# KiCad board first_keyboard.kicad_pcb (continued)
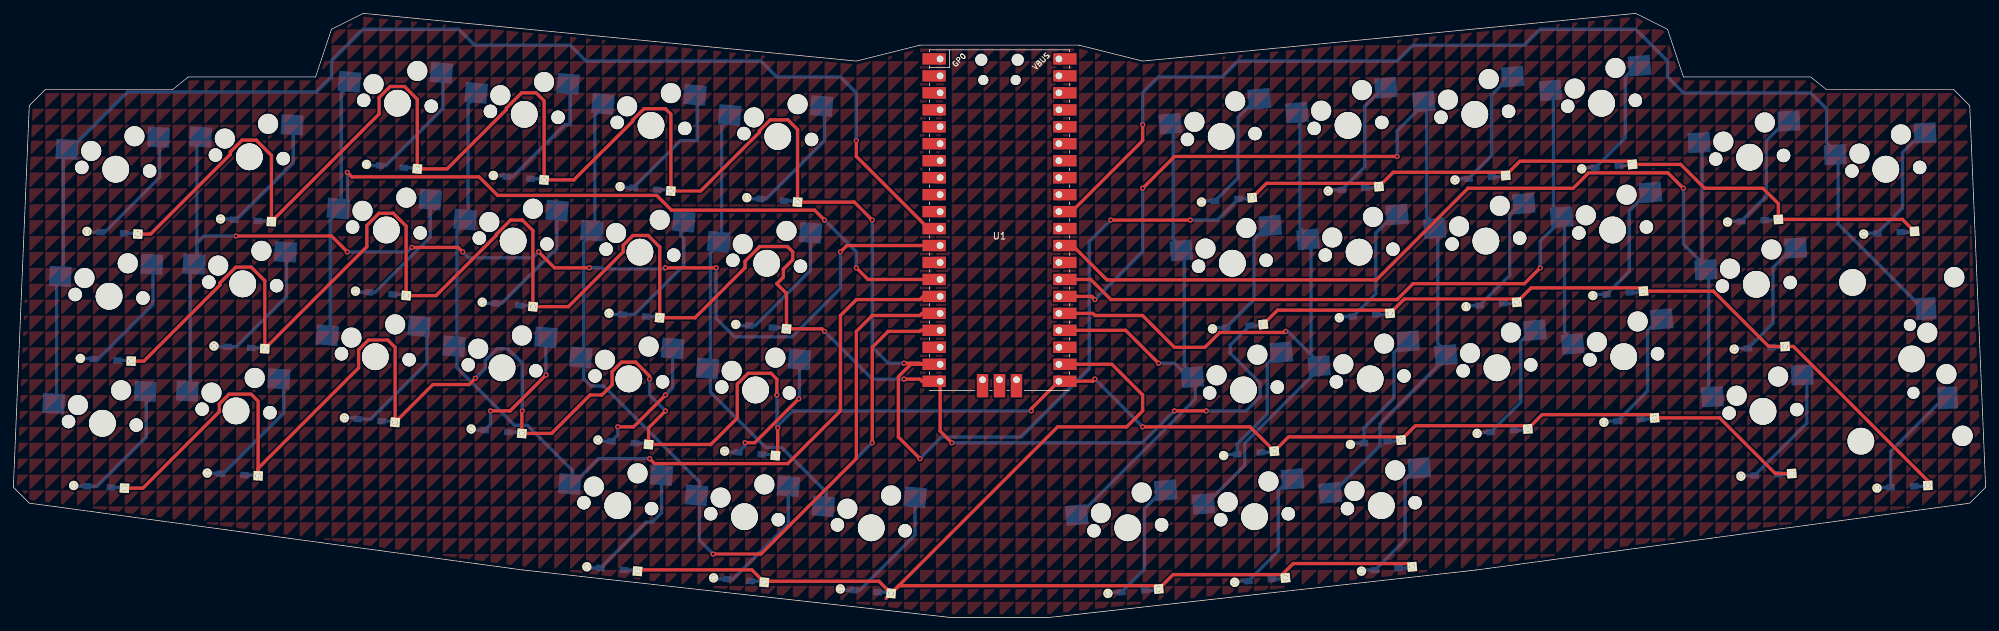
[diagram p0: board, top side]
## Copper pours and planes (outline as drawn; the poured copper is in the pictures) (continued)
(no net) on Top, Bottom: 259.56,145.26 259.56,142.88 261.94,145.26
(no net) on Top, Bottom: 85.73,50.01 85.73,47.62 88.11,50.01
(no net) on Top, Bottom: 200.02,45.24 200.02,42.86 202.41,45.24
(no net) on Top, Bottom: 69.06,145.26 69.06,142.88 71.44,145.26
(no net) on Top, Bottom: 92.87,102.39 92.87,100.01 95.25,102.39
(no net) on Top, Bottom: 107.16,126.21 107.16,123.83 109.54,126.21
(no net) on Top, Bottom: 219.07,19.05 219.07,16.67 221.46,19.05
(no net) on Top, Bottom: 230.98,54.77 230.98,52.39 233.36,54.77
(no net) on Top, Bottom: 223.84,104.78 223.84,102.39 226.22,104.78
(no net) on Top, Bottom: 26.19,121.44 26.19,119.06 28.58,121.44
(no net) on Top, Bottom: 30.96,-26.19 30.96,-28.57 33.34,-26.19
(no net) on Top, Bottom: 230.98,11.91 230.98,9.53 233.36,11.91
(no net) on Top, Bottom: 21.43,-2.38 21.43,-4.76 23.81,-2.38
(no net) on Top, Bottom: 69.06,116.68 69.06,114.3 71.44,116.68
(no net) on Top, Bottom: 135.73,50.01 135.73,47.62 138.11,50.01
(no net) on Top, Bottom: 140.49,64.29 140.49,61.91 142.88,64.29
(no net) on Top, Bottom: 180.98,92.87 180.98,90.49 183.36,92.87
(no net) on Top, Bottom: 207.17,-26.19 207.17,-28.57 209.55,-26.19
(no net) on Top, Bottom: 23.81,71.44 23.81,69.06 26.19,71.44
(no net) on Top, Bottom: 250.03,119.06 250.03,116.68 252.41,119.06
(no net) on Top, Bottom: 292.89,95.25 292.89,92.87 295.27,95.25
(no net) on Top, Bottom: 0,-38.1 0,-40.48 2.38,-38.1
(no net) on Top, Bottom: 21.43,57.15 21.43,54.77 23.81,57.15
(no net) on Top, Bottom: 230.98,45.24 230.98,42.86 233.36,45.24
(no net) on Top, Bottom: 100.01,102.39 100.01,100.01 102.39,102.39
(no net) on Top, Bottom: 73.82,40.48 73.82,38.1 76.2,40.48
(no net) on Top, Bottom: 40.48,61.91 40.48,59.53 42.86,61.91
(no net) on Top, Bottom: 269.08,100.01 269.08,97.63 271.46,100.01
(no net) on Top, Bottom: 78.58,147.64 78.58,145.26 80.96,147.64
(no net) on Top, Bottom: 119.06,119.06 119.06,116.68 121.44,119.06
(no net) on Top, Bottom: 195.26,104.78 195.26,102.39 197.64,104.78
(no net) on Top, Bottom: 166.69,-7.14 166.69,-9.53 169.07,-7.14
(no net) on Top, Bottom: 221.46,107.16 221.46,104.78 223.84,107.16
(no net) on Top, Bottom: 240.51,-14.29 240.51,-16.67 242.89,-14.29
(no net) on Top, Bottom: 276.22,76.2 276.22,73.82 278.61,76.2
(no net) on Top, Bottom: 180.98,126.21 180.98,123.83 183.36,126.21
(no net) on Top, Bottom: 240.51,130.97 240.51,128.59 242.89,130.97
(no net) on Top, Bottom: 33.34,-35.72 33.34,-38.1 35.72,-35.72
(no net) on Top, Bottom: 169.07,90.49 169.07,88.11 171.45,90.49
(no net) on Top, Bottom: 304.8,21.43 304.8,19.05 307.18,21.43
(no net) on Top, Bottom: 54.77,142.88 54.77,140.49 57.15,142.88
(no net) on Top, Bottom: 273.84,130.97 273.84,128.59 276.22,130.97
(no net) on Top, Bottom: 180.98,26.19 180.98,23.81 183.36,26.19
(no net) on Top, Bottom: 242.89,95.25 242.89,92.87 245.27,95.25
(no net) on Top, Bottom: 288.13,21.43 288.13,19.05 290.51,21.43
(no net) on Top, Bottom: 88.11,135.73 88.11,133.35 90.49,135.73
(no net) on Top, Bottom: 247.65,0 247.65,-2.38 250.03,0
(no net) on Top, Bottom: 188.12,85.72 188.12,83.34 190.5,85.72
(no net) on Top, Bottom: 197.64,83.34 197.64,80.96 200.02,83.34
(no net) on Top, Bottom: 235.74,83.34 235.74,80.96 238.12,83.34
(no net) on Top, Bottom: 33.34,16.67 33.34,14.29 35.72,16.67
(no net) on Top, Bottom: 214.31,-19.05 214.31,-21.43 216.69,-19.05
(no net) on Top, Bottom: 109.54,73.82 109.54,71.44 111.92,73.82
(no net) on Top, Bottom: 26.19,107.16 26.19,104.78 28.58,107.16
(no net) on Top, Bottom: 114.3,71.44 114.3,69.06 116.68,71.44
(no net) on Top, Bottom: 4.76,52.39 4.76,50.01 7.14,52.39
(no net) on Top, Bottom: 109.54,42.86 109.54,40.48 111.92,42.86
(no net) on Top, Bottom: 64.29,42.86 64.29,40.48 66.67,42.86
(no net) on Top, Bottom: 26.19,2.38 26.19,0 28.58,2.38
(no net) on Top, Bottom: 195.26,126.21 195.26,123.83 197.64,126.21
(no net) on Top, Bottom: 111.92,50.01 111.92,47.62 114.3,50.01
(no net) on Top, Bottom: 66.67,2.38 66.67,0 69.06,2.38
(no net) on Top, Bottom: 195.26,123.83 195.26,121.44 197.64,123.83
(no net) on Top, Bottom: 116.68,-33.34 116.68,-35.72 119.06,-33.34
(no net) on Top, Bottom: 121.44,-26.19 121.44,-28.57 123.83,-26.19
(no net) on Top, Bottom: 276.22,33.34 276.22,30.96 278.61,33.34
(no net) on Top, Bottom: 128.59,-11.91 128.59,-14.29 130.97,-11.91
(no net) on Top, Bottom: 183.36,88.11 183.36,85.72 185.74,88.11
(no net) on Top, Bottom: 140.49,83.34 140.49,80.96 142.88,83.34
(no net) on Top, Bottom: 180.98,23.81 180.98,21.43 183.36,23.81
(no net) on Top, Bottom: 83.34,2.38 83.34,0 85.73,2.38
(no net) on Top, Bottom: 269.08,128.59 269.08,126.21 271.46,128.59
(no net) on Top, Bottom: 78.58,21.43 78.58,19.05 80.96,21.43
(no net) on Top, Bottom: 111.92,128.59 111.92,126.21 114.3,128.59
(no net) on Top, Bottom: 252.41,111.92 252.41,109.54 254.79,111.92
(no net) on Top, Bottom: 145.26,52.39 145.26,50.01 147.64,52.39
(no net) on Top, Bottom: 202.41,35.72 202.41,33.34 204.79,35.72
(no net) on Top, Bottom: 204.79,69.06 204.79,66.68 207.17,69.06
(no net) on Top, Bottom: 57.15,-33.34 57.15,-35.72 59.53,-33.34
(no net) on Top, Bottom: 288.13,-14.29 288.13,-16.67 290.51,-14.29
(no net) on Top, Bottom: 61.91,33.34 61.91,30.96 64.29,33.34
(no net) on Top, Bottom: 150.02,21.43 150.02,19.05 152.4,21.43
(no net) on Top, Bottom: 157.16,85.72 157.16,83.34 159.54,85.72
(no net) on Top, Bottom: 254.79,119.06 254.79,116.68 257.18,119.06
(no net) on Top, Bottom: 283.37,147.64 283.37,145.26 285.75,147.64
(no net) on Top, Bottom: 66.67,-7.14 66.67,-9.53 69.06,-7.14
(no net) on Top, Bottom: 247.65,61.91 247.65,59.53 250.03,61.91
(no net) on Top, Bottom: 171.45,52.39 171.45,50.01 173.83,52.39
(no net) on Top, Bottom: 71.44,128.59 71.44,126.21 73.82,128.59
(no net) on Top, Bottom: 104.77,52.39 104.77,50.01 107.16,52.39
(no net) on Top, Bottom: 235.74,102.39 235.74,100.01 238.12,102.39
(no net) on Top, Bottom: 66.67,-14.29 66.67,-16.67 69.06,-14.29
(no net) on Top, Bottom: 76.2,28.57 76.2,26.19 78.58,28.57
(no net) on Top, Bottom: 269.08,-23.81 269.08,-26.19 271.46,-23.81
(no net) on Top, Bottom: 235.74,0 235.74,-2.38 238.12,0
(no net) on Top, Bottom: 47.62,107.16 47.62,104.78 50.01,107.16
(no net) on Top, Bottom: 285.75,-28.57 285.75,-30.96 288.13,-28.57
(no net) on Top, Bottom: 252.41,121.44 252.41,119.06 254.79,121.44
(no net) on Top, Bottom: 180.98,30.96 180.98,28.57 183.36,30.96
(no net) on Top, Bottom: 83.34,102.39 83.34,100.01 85.73,102.39
(no net) on Top, Bottom: 142.88,-16.67 142.88,-19.05 145.26,-16.67
(no net) on Top, Bottom: 35.72,83.34 35.72,80.96 38.1,83.34
(no net) on Top, Bottom: 45.24,95.25 45.24,92.87 47.62,95.25
(no net) on Top, Bottom: 69.06,42.86 69.06,40.48 71.44,42.86
(no net) on Top, Bottom: 247.65,-38.1 247.65,-40.48 250.03,-38.1
(no net) on Top, Bottom: 171.45,59.53 171.45,57.15 173.83,59.53
(no net) on Top, Bottom: 171.45,9.53 171.45,7.14 173.83,9.53
(no net) on Top, Bottom: 259.56,-21.43 259.56,-23.81 261.94,-21.43
(no net) on Top, Bottom: 271.46,38.1 271.46,35.72 273.84,38.1
(no net) on Top, Bottom: 40.48,111.92 40.48,109.54 42.86,111.92
(no net) on Top, Bottom: 80.96,28.57 80.96,26.19 83.34,28.57
(no net) on Top, Bottom: 259.56,114.3 259.56,111.92 261.94,114.3
(no net) on Top, Bottom: 57.15,111.92 57.15,109.54 59.53,111.92
(no net) on Top, Bottom: 228.6,66.68 228.6,64.29 230.98,66.68
(no net) on Top, Bottom: 235.74,50.01 235.74,47.62 238.12,50.01
(no net) on Top, Bottom: 50.01,109.54 50.01,107.16 52.39,109.54
(no net) on Top, Bottom: 33.34,7.14 33.34,4.76 35.72,7.14
(no net) on Top, Bottom: 11.91,69.06 11.91,66.68 14.29,69.06
(no net) on Top, Bottom: 59.53,140.49 59.53,138.11 61.91,140.49
(no net) on Top, Bottom: 135.73,126.21 135.73,123.83 138.11,126.21
(no net) on Top, Bottom: 52.39,64.29 52.39,61.91 54.77,64.29
(no net) on Top, Bottom: 276.22,66.68 276.22,64.29 278.61,66.68
(no net) on Top, Bottom: 80.96,-21.43 80.96,-23.81 83.34,-21.43
(no net) on Top, Bottom: 19.05,52.39 19.05,50.01 21.43,52.39
(no net) on Top, Bottom: 247.65,40.48 247.65,38.1 250.03,40.48
(no net) on Top, Bottom: 250.03,26.19 250.03,23.81 252.41,26.19
(no net) on Top, Bottom: 157.16,40.48 157.16,38.1 159.54,40.48
(no net) on Top, Bottom: 123.83,128.59 123.83,126.21 126.21,128.59
(no net) on Top, Bottom: 290.51,-16.67 290.51,-19.05 292.89,-16.67
(no net) on Top, Bottom: 276.22,83.34 276.22,80.96 278.61,83.34
(no net) on Top, Bottom: 95.25,57.15 95.25,54.77 97.63,57.15
(no net) on Top, Bottom: 176.21,102.39 176.21,100.01 178.59,102.39
(no net) on Top, Bottom: 223.84,59.53 223.84,57.15 226.22,59.53
(no net) on Top, Bottom: 240.51,83.34 240.51,80.96 242.89,83.34
(no net) on Top, Bottom: 130.97,71.44 130.97,69.06 133.35,71.44
(no net) on Top, Bottom: 195.26,45.24 195.26,42.86 197.64,45.24
(no net) on Top, Bottom: 259.56,64.29 259.56,61.91 261.94,64.29
(no net) on Top, Bottom: 102.39,-33.34 102.39,-35.72 104.77,-33.34
(no net) on Top, Bottom: 104.77,71.44 104.77,69.06 107.16,71.44
(no net) on Top, Bottom: 178.59,130.97 178.59,128.59 180.98,130.97
(no net) on Top, Bottom: 54.77,-19.05 54.77,-21.43 57.15,-19.05
(no net) on Top, Bottom: 254.79,83.34 254.79,80.96 257.18,83.34
(no net) on Top, Bottom: 150.02,109.54 150.02,107.16 152.4,109.54
(no net) on Top, Bottom: 278.61,97.63 278.61,95.25 280.99,97.63
(no net) on Top, Bottom: 250.03,107.16 250.03,104.78 252.41,107.16
(no net) on Top, Bottom: 195.26,85.72 195.26,83.34 197.64,85.72
(no net) on Top, Bottom: 147.64,140.49 147.64,138.11 150.02,140.49
(no net) on Top, Bottom: 226.22,61.91 226.22,59.53 228.6,61.91
(no net) on Top, Bottom: 288.13,40.48 288.13,38.1 290.51,40.48
(no net) on Top, Bottom: 292.89,-19.05 292.89,-21.43 295.27,-19.05
(no net) on Top, Bottom: 11.91,0 11.91,-2.38 14.29,0
(no net) on Top, Bottom: 4.76,57.15 4.76,54.77 7.14,57.15
(no net) on Top, Bottom: 33.34,71.44 33.34,69.06 35.72,71.44
(no net) on Top, Bottom: 97.63,-28.57 97.63,-30.96 100.01,-28.57
(no net) on Top, Bottom: 23.81,66.68 23.81,64.29 26.19,66.68
(no net) on Top, Bottom: 250.03,128.59 250.03,126.21 252.41,128.59
(no net) on Top, Bottom: 100.01,30.96 100.01,28.57 102.39,30.96
(no net) on Top, Bottom: 257.18,126.21 257.18,123.83 259.56,126.21
(no net) on Top, Bottom: 33.34,-7.14 33.34,-9.53 35.72,-7.14
(no net) on Top, Bottom: 273.84,-7.14 273.84,-9.53 276.22,-7.14
(no net) on Top, Bottom: 61.91,57.15 61.91,54.77 64.29,57.15
(no net) on Top, Bottom: 204.79,4.76 204.79,2.38 207.17,4.76
(no net) on Top, Bottom: 11.91,33.34 11.91,30.96 14.29,33.34
(no net) on Top, Bottom: 123.83,107.16 123.83,104.78 126.21,107.16
(no net) on Top, Bottom: 121.44,30.96 121.44,28.57 123.83,30.96
(no net) on Top, Bottom: 223.84,73.82 223.84,71.44 226.22,73.82
(no net) on Top, Bottom: 276.22,-11.91 276.22,-14.29 278.61,-11.91
(no net) on Top, Bottom: 152.4,47.62 152.4,45.24 154.78,47.62
(no net) on Top, Bottom: 9.53,47.62 9.53,45.24 11.91,47.62
(no net) on Top, Bottom: 123.83,95.25 123.83,92.87 126.21,95.25
(no net) on Top, Bottom: 26.19,11.91 26.19,9.53 28.58,11.91
(no net) on Top, Bottom: 188.12,-26.19 188.12,-28.57 190.5,-26.19
(no net) on Top, Bottom: 45.24,83.34 45.24,80.96 47.62,83.34
(no net) on Top, Bottom: 119.06,-7.14 119.06,-9.53 121.44,-7.14
(no net) on Top, Bottom: 278.61,7.14 278.61,4.76 280.99,7.14
(no net) on Top, Bottom: 66.67,116.68 66.67,114.3 69.06,116.68
(no net) on Top, Bottom: 19.05,16.67 19.05,14.29 21.43,16.67
(no net) on Top, Bottom: 57.15,-28.57 57.15,-30.96 59.53,-28.57
(no net) on Top, Bottom: 100.01,-35.72 100.01,-38.1 102.39,-35.72
(no net) on Top, Bottom: 152.4,11.91 152.4,9.53 154.78,11.91
(no net) on Top, Bottom: 304.8,-16.67 304.8,-19.05 307.18,-16.67
(no net) on Top, Bottom: 135.73,16.67 135.73,14.29 138.11,16.67
(no net) on Top, Bottom: 69.06,107.16 69.06,104.78 71.44,107.16
(no net) on Top, Bottom: 23.81,14.29 23.81,11.91 26.19,14.29
(no net) on Top, Bottom: 133.35,-26.19 133.35,-28.57 135.73,-26.19
(no net) on Top, Bottom: 76.2,-11.91 76.2,-14.29 78.58,-11.91
(no net) on Top, Bottom: 140.49,0 140.49,-2.38 142.88,0
(no net) on Top, Bottom: 302.42,100.01 302.42,97.63 304.8,100.01
(no net) on Top, Bottom: 254.79,123.83 254.79,121.44 257.18,123.83
(no net) on Top, Bottom: 171.45,54.77 171.45,52.39 173.83,54.77
(no net) on Top, Bottom: 73.82,-11.91 73.82,-14.29 76.2,-11.91
(no net) on Top, Bottom: 252.41,19.05 252.41,16.67 254.79,19.05
(no net) on Top, Bottom: 104.77,-4.76 104.77,-7.14 107.16,-4.76
(no net) on Top, Bottom: 128.59,130.97 128.59,128.59 130.97,130.97
(no net) on Top, Bottom: 266.7,78.58 266.7,76.2 269.08,78.58
(no net) on Top, Bottom: 288.13,54.77 288.13,52.39 290.51,54.77
(no net) on Top, Bottom: 71.44,21.43 71.44,19.05 73.82,21.43
(no net) on Top, Bottom: 64.29,16.67 64.29,14.29 66.67,16.67
(no net) on Top, Bottom: 140.49,73.82 140.49,71.44 142.88,73.82
(no net) on Top, Bottom: 216.69,116.68 216.69,114.3 219.07,116.68
(no net) on Top, Bottom: 30.96,119.06 30.96,116.68 33.34,119.06
(no net) on Top, Bottom: 11.91,88.11 11.91,85.72 14.29,88.11
(no net) on Top, Bottom: 271.46,76.2 271.46,73.82 273.84,76.2
(no net) on Top, Bottom: 219.07,133.35 219.07,130.97 221.46,133.35
(no net) on Top, Bottom: 204.79,71.44 204.79,69.06 207.17,71.44
(no net) on Top, Bottom: 200.02,-7.14 200.02,-9.53 202.41,-7.14
(no net) on Top, Bottom: 152.4,-16.67 152.4,-19.05 154.78,-16.67
(no net) on Top, Bottom: 180.98,-7.14 180.98,-9.53 183.36,-7.14
(no net) on Top, Bottom: 271.46,9.53 271.46,7.14 273.84,9.53
(no net) on Top, Bottom: 152.4,54.77 152.4,52.39 154.78,54.77
(no net) on Top, Bottom: 159.54,97.63 159.54,95.25 161.93,97.63
(no net) on Top, Bottom: 252.41,88.11 252.41,85.72 254.79,88.11
(no net) on Top, Bottom: 126.21,45.24 126.21,42.86 128.59,45.24
(no net) on Top, Bottom: 242.89,-30.96 242.89,-33.34 245.27,-30.96
(no net) on Top, Bottom: 33.34,-23.81 33.34,-26.19 35.72,-23.81
(no net) on Top, Bottom: 64.29,19.05 64.29,16.67 66.67,19.05
(no net) on Top, Bottom: 47.62,-30.96 47.62,-33.34 50.01,-30.96
(no net) on Top, Bottom: 2.38,4.76 2.38,2.38 4.76,4.76
(no net) on Top, Bottom: 135.73,69.06 135.73,66.68 138.11,69.06
(no net) on Top, Bottom: 57.15,-35.72 57.15,-38.1 59.53,-35.72
(no net) on Top, Bottom: 223.84,97.63 223.84,95.25 226.22,97.63
(no net) on Top, Bottom: 295.27,102.39 295.27,100.01 297.66,102.39
(no net) on Top, Bottom: 33.34,85.72 33.34,83.34 35.72,85.72
(no net) on Top, Bottom: 138.11,71.44 138.11,69.06 140.49,71.44
(no net) on Top, Bottom: 252.41,142.88 252.41,140.49 254.79,142.88
(no net) on Top, Bottom: 207.17,145.26 207.17,142.88 209.55,145.26
(no net) on Top, Bottom: 171.45,26.19 171.45,23.81 173.83,26.19
(no net) on Top, Bottom: 123.83,90.49 123.83,88.11 126.21,90.49
(no net) on Top, Bottom: 102.39,104.78 102.39,102.39 104.77,104.78
(no net) on Top, Bottom: 185.74,50.01 185.74,47.62 188.12,50.01
(no net) on Top, Bottom: 192.88,16.67 192.88,14.29 195.26,16.67
(no net) on Top, Bottom: 216.69,90.49 216.69,88.11 219.07,90.49
(no net) on Top, Bottom: 130.97,-7.14 130.97,-9.53 133.35,-7.14
(no net) on Top, Bottom: 23.81,28.57 23.81,26.19 26.19,28.57
(no net) on Top, Bottom: 219.07,100.01 219.07,97.63 221.46,100.01
(no net) on Top, Bottom: 190.5,54.77 190.5,52.39 192.88,54.77
(no net) on Top, Bottom: 40.48,28.57 40.48,26.19 42.86,28.57
(no net) on Top, Bottom: 92.87,-9.53 92.87,-11.91 95.25,-9.53
(no net) on Top, Bottom: 164.31,147.64 164.31,145.26 166.69,147.64
(no net) on Top, Bottom: 40.48,109.54 40.48,107.16 42.86,109.54
(no net) on Top, Bottom: 226.22,130.97 226.22,128.59 228.6,130.97
(no net) on Top, Bottom: 97.63,47.62 97.63,45.24 100.01,47.62
(no net) on Top, Bottom: 83.34,4.76 83.34,2.38 85.73,4.76
(no net) on Top, Bottom: 214.31,52.39 214.31,50.01 216.69,52.39
(no net) on Top, Bottom: 97.63,107.16 97.63,104.78 100.01,107.16
(no net) on Top, Bottom: 11.91,97.63 11.91,95.25 14.29,97.63
(no net) on Top, Bottom: 202.41,28.57 202.41,26.19 204.79,28.57
(no net) on Top, Bottom: 66.67,33.34 66.67,30.96 69.06,33.34
(no net) on Top, Bottom: 90.49,45.24 90.49,42.86 92.87,45.24
(no net) on Top, Bottom: 164.31,140.49 164.31,138.11 166.69,140.49
(no net) on Top, Bottom: 111.92,-23.81 111.92,-26.19 114.3,-23.81
(no net) on Top, Bottom: 154.78,140.49 154.78,138.11 157.16,140.49
(no net) on Top, Bottom: 223.84,111.92 223.84,109.54 226.22,111.92
(no net) on Top, Bottom: 142.88,-4.76 142.88,-7.14 145.26,-4.76
(no net) on Top, Bottom: 195.26,95.25 195.26,92.87 197.64,95.25
(no net) on Top, Bottom: 152.4,140.49 152.4,138.11 154.78,140.49
(no net) on Top, Bottom: 190.5,-26.19 190.5,-28.57 192.88,-26.19
(no net) on Top, Bottom: 169.07,-14.29 169.07,-16.67 171.45,-14.29
(no net) on Top, Bottom: 230.98,102.39 230.98,100.01 233.36,102.39
(no net) on Top, Bottom: 295.27,95.25 295.27,92.87 297.66,95.25
(no net) on Top, Bottom: 100.01,97.63 100.01,95.25 102.39,97.63
(no net) on Top, Bottom: 300.04,59.53 300.04,57.15 302.42,59.53
(no net) on Top, Bottom: 147.64,90.49 147.64,88.11 150.02,90.49
(no net) on Top, Bottom: 28.58,88.11 28.58,85.72 30.96,88.11
(no net) on Top, Bottom: 42.86,121.44 42.86,119.06 45.24,121.44
(no net) on Top, Bottom: 159.54,107.16 159.54,104.78 161.93,107.16
(no net) on Top, Bottom: 100.01,138.11 100.01,135.73 102.39,138.11
(no net) on Top, Bottom: 190.5,50.01 190.5,47.62 192.88,50.01
(no net) on Top, Bottom: 278.61,57.15 278.61,54.77 280.99,57.15
(no net) on Top, Bottom: 128.59,-19.05 128.59,-21.43 130.97,-19.05
(no net) on Top, Bottom: 200.02,0 200.02,-2.38 202.41,0
(no net) on Top, Bottom: 2.38,7.14 2.38,4.76 4.76,7.14
(no net) on Top, Bottom: 295.27,73.82 295.27,71.44 297.66,73.82
(no net) on Top, Bottom: 40.48,-33.34 40.48,-35.72 42.86,-33.34
(no net) on Top, Bottom: 90.49,4.76 90.49,2.38 92.87,4.76
(no net) on Top, Bottom: 128.59,0 128.59,-2.38 130.97,0
(no net) on Top, Bottom: 128.59,-14.29 128.59,-16.67 130.97,-14.29
(no net) on Top, Bottom: 252.41,11.91 252.41,9.53 254.79,11.91
(no net) on Top, Bottom: 19.05,42.86 19.05,40.48 21.43,42.86
(no net) on Top, Bottom: 40.48,40.48 40.48,38.1 42.86,40.48
(no net) on Top, Bottom: 23.81,-28.57 23.81,-30.96 26.19,-28.57
(no net) on Top, Bottom: 302.42,64.29 302.42,61.91 304.8,64.29
(no net) on Top, Bottom: 121.44,145.26 121.44,142.88 123.83,145.26
(no net) on Top, Bottom: 188.12,88.11 188.12,85.72 190.5,88.11
(no net) on Top, Bottom: 178.59,-21.43 178.59,-23.81 180.98,-21.43
(no net) on Top, Bottom: 297.66,-30.96 297.66,-33.34 300.04,-30.96
(no net) on Top, Bottom: 109.54,54.77 109.54,52.39 111.92,54.77
(no net) on Top, Bottom: 73.82,-30.96 73.82,-33.34 76.2,-30.96
(no net) on Top, Bottom: 28.58,38.1 28.58,35.72 30.96,38.1
(no net) on Top, Bottom: 111.92,71.44 111.92,69.06 114.3,71.44
(no net) on Top, Bottom: 192.88,-26.19 192.88,-28.57 195.26,-26.19
(no net) on Top, Bottom: 221.46,85.72 221.46,83.34 223.84,85.72
(no net) on Top, Bottom: 133.35,40.48 133.35,38.1 135.73,40.48
(no net) on Top, Bottom: 242.89,109.54 242.89,107.16 245.27,109.54
(no net) on Top, Bottom: 35.72,61.91 35.72,59.53 38.1,61.91
(no net) on Top, Bottom: 180.98,111.92 180.98,109.54 183.36,111.92
(no net) on Top, Bottom: 92.87,78.58 92.87,76.2 95.25,78.58
(no net) on Top, Bottom: 219.07,45.24 219.07,42.86 221.46,45.24
(no net) on Top, Bottom: 150.02,78.58 150.02,76.2 152.4,78.58
(no net) on Top, Bottom: 90.49,138.11 90.49,135.73 92.87,138.11
(no net) on Top, Bottom: 250.03,52.39 250.03,50.01 252.41,52.39
(no net) on Top, Bottom: 230.98,138.11 230.98,135.73 233.36,138.11
(no net) on Top, Bottom: 123.83,30.96 123.83,28.57 126.21,30.96
(no net) on Top, Bottom: 95.25,35.72 95.25,33.34 97.63,35.72
(no net) on Top, Bottom: 185.74,-35.72 185.74,-38.1 188.12,-35.72
(no net) on Top, Bottom: 45.24,140.49 45.24,138.11 47.62,140.49
(no net) on Top, Bottom: 135.73,52.39 135.73,50.01 138.11,52.39
(no net) on Top, Bottom: 73.82,-4.76 73.82,-7.14 76.2,-4.76
(no net) on Top, Bottom: 52.39,142.88 52.39,140.49 54.77,142.88
(no net) on Top, Bottom: 42.86,73.82 42.86,71.44 45.24,73.82
(no net) on Top, Bottom: 230.98,57.15 230.98,54.77 233.36,57.15
(no net) on Top, Bottom: 169.07,126.21 169.07,123.83 171.45,126.21
(no net) on Top, Bottom: 271.46,-28.57 271.46,-30.96 273.84,-28.57
(no net) on Top, Bottom: 288.13,92.87 288.13,90.49 290.51,92.87
(no net) on Top, Bottom: 85.73,42.86 85.73,40.48 88.11,42.86
(no net) on Top, Bottom: 59.53,-2.38 59.53,-4.76 61.91,-2.38
(no net) on Top, Bottom: 278.61,47.62 278.61,45.24 280.99,47.62
(no net) on Top, Bottom: 221.46,126.21 221.46,123.83 223.84,126.21
(no net) on Top, Bottom: 140.49,66.68 140.49,64.29 142.88,66.68
(no net) on Top, Bottom: 226.22,23.81 226.22,21.43 228.6,23.81
(no net) on Top, Bottom: 190.5,109.54 190.5,107.16 192.88,109.54
(no net) on Top, Bottom: 261.94,133.35 261.94,130.97 264.32,133.35
(no net) on Top, Bottom: 178.59,-14.29 178.59,-16.67 180.98,-14.29
(no net) on Top, Bottom: 292.89,0 292.89,-2.38 295.27,0
(no net) on Top, Bottom: 197.64,145.26 197.64,142.88 200.02,145.26
(no net) on Top, Bottom: 290.51,-9.53 290.51,-11.91 292.89,-9.53
(no net) on Top, Bottom: 292.89,23.81 292.89,21.43 295.27,23.81
(no net) on Top, Bottom: 304.8,-19.05 304.8,-21.43 307.18,-19.05
(no net) on Top, Bottom: 85.73,76.2 85.73,73.82 88.11,76.2
(no net) on Top, Bottom: 133.35,33.34 133.35,30.96 135.73,33.34
(no net) on Top, Bottom: 190.5,52.39 190.5,50.01 192.88,52.39
(no net) on Top, Bottom: 304.8,128.59 304.8,126.21 307.18,128.59
(no net) on Top, Bottom: 200.02,83.34 200.02,80.96 202.41,83.34
(no net) on Top, Bottom: 233.36,142.88 233.36,140.49 235.74,142.88
(no net) on Top, Bottom: 180.98,38.1 180.98,35.72 183.36,38.1
(no net) on Top, Bottom: 138.11,59.53 138.11,57.15 140.49,59.53
(no net) on Top, Bottom: 257.18,73.82 257.18,71.44 259.56,73.82
(no net) on Top, Bottom: 226.22,147.64 226.22,145.26 228.6,147.64
(no net) on Top, Bottom: 169.07,64.29 169.07,61.91 171.45,64.29
(no net) on Top, Bottom: 238.12,-23.81 238.12,-26.19 240.51,-23.81
(no net) on Top, Bottom: 240.51,11.91 240.51,9.53 242.89,11.91
(no net) on Top, Bottom: 223.84,4.76 223.84,2.38 226.22,4.76
(no net) on Top, Bottom: 88.11,71.44 88.11,69.06 90.49,71.44
(no net) on Top, Bottom: 121.44,114.3 121.44,111.92 123.83,114.3
(no net) on Top, Bottom: 126.21,114.3 126.21,111.92 128.59,114.3
(no net) on Top, Bottom: 169.07,7.14 169.07,4.76 171.45,7.14
(no net) on Top, Bottom: 90.49,78.58 90.49,76.2 92.87,78.58
(no net) on Top, Bottom: 145.26,107.16 145.26,104.78 147.64,107.16
(no net) on Top, Bottom: 45.24,-35.72 45.24,-38.1 47.62,-35.72
(no net) on Top, Bottom: 85.73,23.81 85.73,21.43 88.11,23.81
(no net) on Top, Bottom: 290.51,42.86 290.51,40.48 292.89,42.86
(no net) on Top, Bottom: 71.44,123.83 71.44,121.44 73.82,123.83
(no net) on Top, Bottom: 252.41,140.49 252.41,138.11 254.79,140.49
(no net) on Top, Bottom: 140.49,140.49 140.49,138.11 142.88,140.49
(no net) on Top, Bottom: 35.72,95.25 35.72,92.87 38.1,95.25
(no net) on Top, Bottom: 247.65,-30.96 247.65,-33.34 250.03,-30.96
(no net) on Top, Bottom: 133.35,102.39 133.35,100.01 135.73,102.39
(no net) on Top, Bottom: 11.91,71.44 11.91,69.06 14.29,71.44
(no net) on Top, Bottom: 235.74,140.49 235.74,138.11 238.12,140.49
(no net) on Top, Bottom: 273.84,90.49 273.84,88.11 276.22,90.49
(no net) on Top, Bottom: 169.07,19.05 169.07,16.67 171.45,19.05
(no net) on Top, Bottom: 285.75,16.67 285.75,14.29 288.13,16.67
(no net) on Top, Bottom: 16.67,0 16.67,-2.38 19.05,0
(no net) on Top, Bottom: 304.8,52.39 304.8,50.01 307.18,52.39
(no net) on Top, Bottom: 88.11,-35.72 88.11,-38.1 90.49,-35.72
(no net) on Top, Bottom: 176.21,2.38 176.21,0 178.59,2.38
(no net) on Top, Bottom: 16.67,59.53 16.67,57.15 19.05,59.53
(no net) on Top, Bottom: 135.73,40.48 135.73,38.1 138.11,40.48
(no net) on Top, Bottom: 300.04,116.68 300.04,114.3 302.42,116.68
(no net) on Top, Bottom: 102.39,142.88 102.39,140.49 104.77,142.88
(no net) on Top, Bottom: 242.89,-35.72 242.89,-38.1 245.27,-35.72
(no net) on Top, Bottom: 230.98,95.25 230.98,92.87 233.36,95.25
(no net) on Top, Bottom: 242.89,83.34 242.89,80.96 245.27,83.34
(no net) on Top, Bottom: 26.19,-14.29 26.19,-16.67 28.58,-14.29
(no net) on Top, Bottom: 285.75,-9.53 285.75,-11.91 288.13,-9.53
(no net) on Top, Bottom: 266.7,107.16 266.7,104.78 269.08,107.16
(no net) on Top, Bottom: 73.82,-33.34 73.82,-35.72 76.2,-33.34
(no net) on Top, Bottom: 166.69,9.53 166.69,7.14 169.07,9.53
(no net) on Top, Bottom: 61.91,54.77 61.91,52.39 64.29,54.77
(no net) on Top, Bottom: 119.06,71.44 119.06,69.06 121.44,71.44
(no net) on Top, Bottom: 183.36,-35.72 183.36,-38.1 185.74,-35.72
(no net) on Top, Bottom: 126.21,-7.14 126.21,-9.53 128.59,-7.14
(no net) on Top, Bottom: 45.24,102.39 45.24,100.01 47.62,102.39
(no net) on Top, Bottom: 116.68,83.34 116.68,80.96 119.06,83.34
(no net) on Top, Bottom: 11.91,80.96 11.91,78.58 14.29,80.96
(no net) on Top, Bottom: 116.68,59.53 116.68,57.15 119.06,59.53
(no net) on Top, Bottom: 228.6,85.72 228.6,83.34 230.98,85.72
(no net) on Top, Bottom: 285.75,114.3 285.75,111.92 288.13,114.3
(no net) on Top, Bottom: 50.01,145.26 50.01,142.88 52.39,145.26
(no net) on Top, Bottom: 61.91,45.24 61.91,42.86 64.29,45.24
(no net) on Top, Bottom: 11.91,107.16 11.91,104.78 14.29,107.16
(no net) on Top, Bottom: 59.53,26.19 59.53,23.81 61.91,26.19
(no net) on Top, Bottom: 297.66,0 297.66,-2.38 300.04,0
